# Altium PCB IoT_Greenhouse V1.0 A.PcbDoc (part 2 of 2)
Units mm, origin at the board's own origin, x right, y up, seen from the top; angles counter-clockwise.
Board outline 130 x 80 mm, 2 copper layers (Top Layer, Bottom Layer), stack 1.569 mm thick; 105 components, 59 nets, 365 pads, 253 vias.
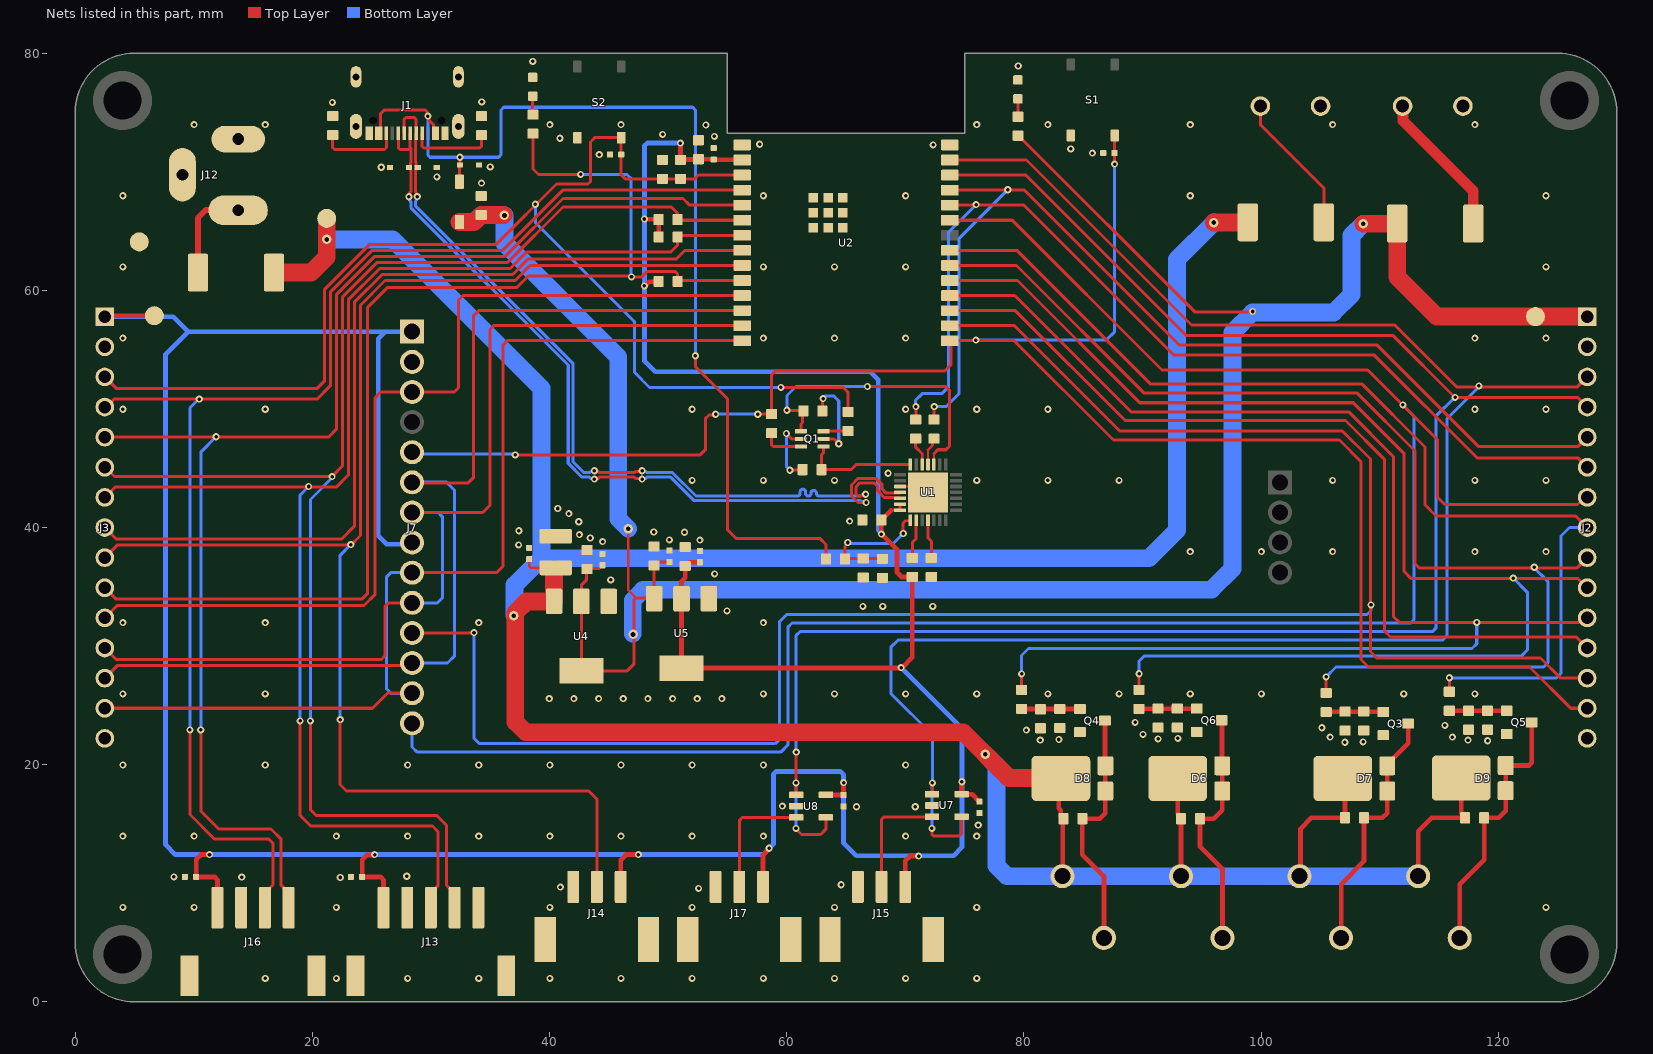
[diagram p2: the nets of this part, all layers, seen from the top]

## Via types
v1: diameter 0.6, hole 0.3, Top Layer to Bottom Layer, tented both sides, 245 vias
v2: diameter 0.8, hole 0.4, Top Layer to Bottom Layer, tented both sides, 8 vias

## Nets (pads, with @x,y where several pads share a name; then routed paths per layer and width w, separated by ;. In a path a pad name is that pad's centre, name@x,y a point inside that pad or via, vN(x,y) a via of type N, cw(c..) or ccw(c..) an arc to the next point about the centre after c; other vN are vias at no path point)
3V3: C2.2 C5.2 C6.2 C23.2 C24.2 C26.2 C27.2 C28.2 C29.2 J3.1 J7.1 J7.8 J13.1 J14.1 J15.1 J16.1 J17.1 R7.2 R10.2 R13.1 R14.1 R24.2 TP3.1 U1.6 U1.7 U2.2 U5.2 U5.4 U7.5 U8.5 | length 334.1
  Top Layer w0.2: U1.7@69.52,41.478 69.536,41.478 U1.7@69.567,41.509
  Top Layer w0.254: 68.802,41.459 U1.7@69.567,41.459 U1.7@69.545,41.481 ; U1.7@69.567,41.509 U1.6@69.567,41.959
  Top Layer w0.4: J3.1@2.5,57.78 2.581,57.861 TP3.1@6.68,57.861 ; v1(11.328,12.421) 10.615,12.421 10.208,12.014 C29.2@10.208,10.541 11.766,10.541 12,10.307 J16.1@12,7.95 ; v1(25.248,12.421) 25.209,12.382 24.597,12.382 24.204,11.989 C27.2@24.204,10.541 25.766,10.541 26,10.307 J13.1@26,7.95 ; J14.1@46,9.7 46,11.964 46.457,12.421 v1(47.498,12.421) ; v1(48.006,60.376) 48.06,60.376 48.409,60.725 49.175,60.725 R14.1@49.2,60.75 ; v1(48.006,66.015) 48.031,65.989 49.175,65.989 R24.2@49.2,65.964 R7.2@49.2,64.5 ; v1(51.029,72.415) 51.041,72.403 51.041,71.018 R13.1@51.054,71.006 51.079,71.031 52.527,71.031 C5.2@52.553,71.057 52.558,71.051 53.843,71.051 C6.2@53.848,71.046 53.876,71.018 56.222,71.018 U2.2@56.25,70.99 ; U5.4@51.079,28.499 51.13,28.55 U5.2@51.13,34 51.13,35.458 51.435,35.763 C24.2@51.435,36.754 ; U5.4@51.13,28.15 69.704,28.15 70.596,29.042 R10.2@70.596,35.835 69.677,35.835 69.47,36.042 69.291,36.22 69.291,38.176 67.983,39.484 C2.2@67.983,40.64 67.983,40.69 68.208,40.915 68.258,40.915 68.802,41.459 ; C24.2@51.613,36.728 51.613,36.879 51.805,37.072 C23.2@52.705,37.072 ; J17.1@58,9.7 58,12.378 58.522,12.9 v1(58.522,12.954) ; U8.5@63.302,17.46 63.309,17.454 64.789,17.454 C28.2@64.795,17.447 v1(64.795,18.491) ; J15.1@70,9.7 70,11.887 70.406,12.294 v1(71.12,12.294) ; v1(74.778,18.567) 74.768,18.557 74.768,17.521 U7.5@74.758,17.511 74.76,17.508 75.631,17.508 C26.2@76.251,16.888
  Bottom Layer w0.4: J3.1@2.5,57.78 8.26,57.78 9.53,56.51 ; J7.8@28.41,38.73 28.263,38.583 26.264,38.583 25.552,39.294 25.552,55.905 26.157,56.51 ; J7.1@28.41,56.51 26.157,56.51 ; v1(51.029,72.415) 48.24,72.415 48.006,72.181 v1(48.006,66.015) v1(48.006,60.376) 48.006,54.051 48.92,53.137 67.056,53.137 67.716,52.476 67.716,39.767 67.983,39.5 v1(67.983,39.446) ; v1(69.647,28.194) 74.778,23.063 v1(74.778,18.567) 74.778,13.03 74.066,12.319 65.862,12.319 64.795,13.386 64.795,19.152 64.516,19.431 59.112,19.431 58.877,19.197 58.877,13.288 58.534,12.945 58.534,12.941 58.014,12.421 v1(47.498,12.421) v1(25.248,12.421) v1(11.328,12.421) 8.458,12.421 7.62,13.259 7.62,54.6 9.53,56.51 ; 9.53,56.51 26.157,56.51
5V: C1.2 C19.2 C20.2 C21.2 C22.2 D1.1 D12.1 J2.1 R23.1 TP2.1 U4.2 U4.4 U5.3 | length 209.8
  Top Layer w0.2: v2(46.634,39.903) 46.634,34.722 47.295,34.061 ; J2.1@127.495,57.785 J2.1@127.5,57.78
  Top Layer w0.254: U4.4@42.621,28.092 42.683,28.154 U4.2@42.683,33.771 42.683,35.139 43.104,35.56 C19.2@43.104,36.576 ; U4.4@42.683,27.921 46.552,27.921 47.142,28.512 47.142,33.909 47.295,34.061 U5.3@48.717,34.061 ; C19.2@43.231,36.525 44.168,36.525 C20.2@44.461,36.818 ; U5.3@48.83,34 48.819,34.011 C21.2@48.819,36.802 48.819,36.805 C21.2@48.844,36.83 ; C21.2@48.844,36.652 48.844,36.774 49.167,37.097 C22.2@50.114,37.097 ; R23.1@79.502,73.038 79.552,73.038 94.398,58.191 v1@99.238,58.191
  Top Layer w1.5: D1.1@32.41,65.762 33.644,65.762 C1.2@34.239,66.358 36.106,66.358 v2@36.119,66.345 ; v2(108.61,65.608) D12.1@111.451,65.608 ; D12.1@111.476,65.634 111.476,61.117 114.808,57.785 TP2.1@123.139,57.785 J2.1@127.495,57.785
  Bottom Layer w1.5: v2(36.195,66.319) 36.195,63.983 45.796,54.381 45.796,40.742 v2(46.634,39.903) ; v2@47.015,31.039 47.015,33.869 47.894,34.747 95.809,34.747 97.587,36.525 97.587,56.439 99.289,58.141 106.121,58.141 107.62,59.639 107.62,64.618 v2(108.61,65.608)
  other v1: 99.289,58.217
  other v2: 47.041,30.988
12V: C9.2 C10.2 C11.2 C15.2 C17.2 C18.2 D6.K D7.K D8.K D9.K D10.1 D11.1 J4.1 J5.1 J6.1 J8.1 TP1.1 U4.3 | length 287.9
  Top Layer w0.2: C18.2@38.289,37.326 38.289,36.719 38.406,36.601 C17.2@40.411,36.601
  Top Layer w0.4: D8.K@82.931,18.872 82.931,16.345 83.1,16.176 83.1,15.668 C11.2@83.325,15.443 83.287,15.406 83.287,10.637 J6.1@83.25,10.6 ; D6.K@92.973,18.845 92.973,15.776 93.256,15.493 C9.2@93.256,15.443 93.253,15.44 93.253,10.603 J4.1@93.25,10.6 ; J5.1@103.25,10.6 103.327,10.677 103.327,14.605 104.242,15.519 C10.2@107.074,15.519 107.074,18.664 D7.K@106.892,18.845 ; J8.1@113.25,10.6 113.25,14.393 114.376,15.519 C15.2@117.208,15.519 117.208,15.569 116.875,15.903 D9.K@116.875,18.87
  Top Layer w1.5: D11.1@16.769,61.493 19.888,61.493 21.209,62.814 v2(21.209,64.287) TP1.1@21.209,66.065 ; C17.2@40.404,36.483 40.383,36.483 U4.3@40.383,33.771 38.064,33.771 37.109,32.817 37.109,23.612 37.988,22.733 74.879,22.733 78.74,18.872 D8.K@82.931,18.872 ; v2(96.012,65.71) 98.852,65.71 D10.1@98.878,65.735
  Bottom Layer w1.5: v2(21.209,64.287) 26.772,64.287 39.319,51.74 39.319,37.414 ; v2@37.059,32.652 37.059,35.154 39.319,37.414 ; v2(76.733,20.879) 77.69,19.922 77.69,11.479 78.569,10.6 J6.1@83.25,10.6 92.769,10.6 J4.1@92.888,10.719 ; J4.1@93.25,10.6 103.014,10.6 J5.1@103.175,10.439 ; v2(96.012,65.71) 92.913,62.611 92.913,39.776 90.551,37.414 39.319,37.414 ; J5.1@103.25,10.6 113.14,10.6 J8.1@113.233,10.693
  other v2: 36.982,32.563
AIN_1: J15.2 U7.3 | length 10
  Top Layer w0.254: J15.2@68,9.7 68,15.397 68.214,15.611 U7.3@72.258,15.611
AIN_2: J17.2 U8.3 | length 10.5
  Top Layer w0.254: J17.2@56,9.7 56,15.284 56.276,15.56 U8.3@60.802,15.56
CHIP_PU: C4.2 C8.1 J3.3 R13.2 R25.1 S2.3 U2.3 | length 110.7
  Top Layer w0.254: J3.3@2.5,52.7 3.46,51.74 20.422,51.74 21.006,52.324 21.006,60.046 24.841,63.881 35.509,63.881 40.586,68.958 43.253,68.958 43.459,69.164 43.459,72.517 43.812,72.87 S2.3@46.046,72.87 ; S2.3@46.047,72.869 46.047,71.451 46.048,69.75 46.392,69.406 C4.2@49.53,69.406 R13.2@51.054,69.406 52.25,69.406 52.564,69.72 U2.3@56.25,69.72 ; v1(59.512,51.816) 64.77,51.816 65.176,51.41 R25.1@65.176,49.746
  Bottom Layer w0.254: v1@38.837,67.2 38.837,65.684 47.168,57.353 47.168,53.086 48.438,51.816 v1(59.512,51.816)
  other v1: 38.811,67.259
DM_N: D2.2 J1.A7 J1.B7 U1.5 | length 70.2
  Top Layer w0.254: J1.A7@27.75,73.25 27.75,74.426 27.899,74.574 28.601,74.574 28.75,74.426 J1.B7@28.75,73.67 ; J1.B7@28.727,73.227 28.727,72.687 28.715,72.674 28.715,70.788 28.755,70.748 28.755,70.441 D2.2@28.838,70.358 ; v1(28.847,67.896) 28.781,67.962 28.781,68.219 28.684,68.316 28.684,70.096 28.755,70.166 28.755,70.275 D2.2@28.838,70.358 ; D2.2@28.893,70.358 D2.2@28.838,70.358 ; v1(43.79,44.787) 43.856,44.721 44.119,44.721 44.212,44.628 47.142,44.628 47.236,44.721 47.737,44.721 v1(47.803,44.787) ; v1(66.65,42.809) 66.583,42.743 66.339,42.743 66.234,42.638 66.023,42.638 65.837,42.824 65.837,43.434 66.167,43.764 67.361,43.764 67.666,43.459 67.666,43.098 68.244,42.519 69.054,42.519 69.091,42.482 U1.5@69.544,42.482
  Bottom Layer w0.254: v1(28.847,67.896) 28.781,67.83 28.781,67.569 28.687,67.475 28.687,67.127 41.961,53.853 41.961,45.573 42.906,44.628 43.367,44.628 43.46,44.721 43.723,44.721 v1(43.79,44.787) ; v1(47.803,44.787) 47.869,44.721 48.132,44.721 48.225,44.628 50.374,44.628 52.352,42.649 60.757,42.649 60.884,42.649 ccw(c60.884,42.903) 61.138,42.903 61.138,43.006 cw(c61.365,43.006) 61.592,43.006 61.592,42.876 ccw(c61.819,42.876) 62.046,42.876 62.046,42.903 cw(c62.273,42.903) 62.5,42.903 ccw(c62.754,42.903) 62.754,42.649 63.983,42.649 66.227,42.649 66.32,42.743 66.583,42.743 v1(66.65,42.809)
DM_P: D3.2 J1.A6 J1.B6 U1.4 | length 70.2
  Top Layer w0.254: J1.B6@27.25,73.25 27.25,72.031 27.399,71.882 28.101,71.882 28.25,72.031 ; v1(28.143,67.894) 28.209,67.96 28.209,68.221 28.303,68.315 28.303,70.126 28.294,70.136 28.294,70.275 D3.2@28.211,70.358 ; D3.2@28.156,70.358 D3.2@28.211,70.358 ; J1.A6@28.25,73.25 28.25,72.031 ; v1(43.79,44.087) 43.856,44.154 44.119,44.154 44.212,44.247 47.142,44.247 47.236,44.154 47.737,44.154 v1(47.803,44.087) ; v1(66.69,42.109) 66.686,42.113 66.009,42.113 65.456,42.667 65.456,43.592 66.009,44.145 67.519,44.145 68.047,43.617 68.047,43.256 68.402,42.9 69.53,42.9 69.567,42.936 U1.4@69.567,42.959 ; D3.2@28.211,70.358 28.294,70.441 28.294,70.748 28.334,70.788 28.334,71.947 28.25,72.031
  Bottom Layer w0.254: v1(28.143,67.894) 28.209,67.828 28.209,67.571 28.306,67.474 28.306,66.969 41.58,53.696 41.58,45.415 42.748,44.247 43.367,44.247 43.46,44.154 43.723,44.154 v1(43.79,44.087) ; v1(47.803,44.087) 47.869,44.154 48.132,44.154 48.225,44.247 50.216,44.247 52.194,42.268 66.227,42.268 66.32,42.175 66.38,42.175 66.624,42.175 v1(66.69,42.109)
DTR: Q1.1 R3.2 U1.28 | length 9.7
  Top Layer w0.254: Q1.1@63.109,46.823 63.109,46.294 62.941,46.126 R3.2@62.941,44.882 65.43,44.882 65.858,45.309 U1.28@70.417,45.309
G_FAN: C12.2 Q6.1 R15.2 R18.2 | length 4.9
  Top Layer w0.4: R15.2@89.713,24.714 89.719,24.72 91.307,24.72 R18.2@91.313,24.727 C12.2@92.939,24.727 C12.2@92.939,24.727 94.58,24.728 Q6.1@94.581,24.729
G_HET: C13.2 Q3.1 R16.2 R19.2 | length 4.8
  Top Layer w0.4: R16.2@105.486,24.448 105.499,24.46 107.074,24.46 R19.2@107.086,24.473 C13.2@108.661,24.473 108.673,24.461 110.292,24.461 Q3.1@110.304,24.45
G_LAMP: C16.2 Q5.1 R21.2 R22.2 | length 4.8
  Top Layer w0.4: R21.2@115.875,24.549 R22.2@117.5,24.549 ; R22.2@117.5,24.549 C16.2@119.101,24.549 C16.2@119.101,24.549 120.716,24.55 Q5.1@120.718,24.551
G_PUMP: C14.2 Q4.1 R17.2 R20.2 | length 4.9
  Top Layer w0.4: R17.2@79.807,24.702 79.82,24.689 81.394,24.689 R20.2@81.407,24.676 81.42,24.689 83.02,24.689 C14.2@83.033,24.701 C14.2@83.033,24.701 84.725,24.703 Q4.1@84.726,24.704
GND: C1.1 C2.1 C3.1 C4.1 C5.1 C6.1 C7.2 C8.2 C12.1 C13.1 C14.1 C16.1 C17.1 C18.1 C19.1 C20.1 C21.1 C22.1 C23.1 C24.1 C26.1 C27.1 C28.1 C29.1 D2.1 D3.1 D4.1 D5.1 D13.1 J1.A1_B12 J1.B1_A12 J1.SH1 J1.SH2 J1.SH3 J1.SH4 J2.2 J2.15 J3.2 J3.15 J7.2 J10.2 J11.2 J12.2 J12.3 J13.0 J13.2 J13.5 J14.3 J14.SH J15.3 J15.SH J16.0 J16.2 J17.3 J17.SH Q3.2 Q4.2 Q5.2 Q6.2 R5.1 R6.1 R8.2 R11.1 R18.1 R19.1 R20.1 R22.1 S1.1 S2.1 TP4.1 U1.3 U1.29 U2.1 U2.28 U2.29 U2.30 U2.31 U2.32 U2.33 U2.34 U2.35 U2.36 U2.37 U4.1 U5.1 U7.2 U8.2 | length 1.3
  Top Layer w0.2: U1.3@69.567,43.459 70.79,43.459 U1.29@70.841,43.51
  other v1: 16.028,1.975 22.028,1.975 28.028,1.975 34.028,1.975 40.028,1.975 46.028,1.975 52.028,1.975 58.028,1.975 64.028,1.975 70.028,1.975 76.028,1.975 4.028,7.975 10.028,7.975 22.028,7.975 40.028,7.975 52.028,7.975 64.028,7.975 76.028,7.975 124.028,7.975 52.578,9.576 40.919,9.677 64.592,9.881 22.352,10.49 14.046,10.516 8.331,10.541 27.965,10.592 4.028,13.975 10.028,13.975 22.028,13.975 28.028,13.975 34.028,13.975 40.028,13.975 46.028,13.975 52.028,13.975 58.028,13.975 70.028,13.975 76.028,13.975 76.149,14.91 65.888,16.459 70.841,16.459 59.639,16.51 4.028,19.975 16.028,19.975 28.028,19.975 34.028,19.975 40.028,19.975 46.028,19.975 52.028,19.975 58.028,19.975 70.028,19.975 107.061,21.895 108.61,21.92 119.101,22.022 81.382,22.073 117.45,22.073 82.956,22.123 91.313,22.174 92.989,22.225 105.816,22.327 116.129,22.327 90.043,22.555 80.213,22.911 105.131,23.114 115.494,23.317 89.383,23.571 39.98,25.578 42.059,25.578 44.138,25.578 46.217,25.578 48.296,25.578 50.375,25.578 52.455,25.578 54.534,25.578 4.028,25.975 16.028,25.975 58.028,25.975 64.028,25.975 70.028,25.975 76.028,25.975 82.028,25.975 88.028,25.975 94.028,25.975 100.028,25.975 112.028,25.975 118.028,25.975 4.028,31.975 16.028,31.975 34.028,31.975 58.028,31.975 54.966,32.969 66.421,33.345 68.097,33.345 72.314,33.345 45.161,35.585 53.924,36.093 94.028,37.975 100.028,37.975 106.028,37.975 118.028,37.975 124.028,37.975 37.389,38.532 44.475,38.811 52.68,38.938 50.114,38.964 43.434,39.116 42.52,39.395 51.384,39.599 48.793,39.624 37.414,39.726 42.469,40.488 65.303,40.538 41.631,41.173 40.691,41.605 52.028,43.975 58.028,43.975 64.028,43.975 76.028,43.975 82.028,43.975 88.028,43.975 106.028,43.975 118.028,43.975 124.028,43.975 68.555,44.577 4.028,49.975 16.028,49.975 52.028,49.975 70.028,49.975 76.028,49.975 82.028,49.975 118.028,49.975 124.028,49.975 4.028,55.975 58.028,55.975 64.028,55.975 70.028,55.975 118.028,55.975 124.028,55.975 4.028,61.975 58.028,61.975 64.028,61.975 70.028,61.975 124.028,61.975 4.028,67.975 58.028,67.975 70.028,67.975 94.028,67.975 124.028,67.975 34.265,69.037 30.505,69.571 25.806,70.383 35.001,70.409 44.196,71.45 85.776,71.577 83.947,71.933 72.339,72.263 57.709,72.314 40.869,72.822 53.899,72.974 49.53,73.152 53.188,73.939 10.028,73.975 16.028,73.975 40.028,73.975 46.028,73.975 76.028,73.975 82.028,73.975 94.028,73.975 106.028,73.975 118.028,73.975 21.692,75.844 34.29,75.895 79.527,78.918 38.583,79.299
GPIO0: J3.8 U2.8 | length 75.3
  Top Layer w0.254: J3.8@2.5,40 3.46,39.04 22.479,39.04 23.546,40.107 23.546,58.993 25.893,61.341 36.892,61.341 38.173,62.622 50.672,62.622 51.42,63.37 U2.8@56.25,63.37
GPIO1: J3.9 J14.2 U2.9 | length 125.6
  Top Layer w0.254: J3.9@2.5,37.46 3.546,38.506 23.241,38.506 24.054,39.319 24.054,58.75 26.137,60.833 37.102,60.833 38.383,62.114 52.035,62.114 52.049,62.1 U2.9@56.25,62.1 ; v1(22.352,23.8) 22.327,23.774 22.327,18.339 22.885,17.78 43.307,17.78 44,17.087 J14.2@44,9.7
  Bottom Layer w0.254: v1(22.352,23.8) 22.352,37.668 v1@23.266,38.583
  other v1: 23.241,38.557
GPIO2: J2.3 U2.27 U7.1 U7.4 | length 153.7
  Top Layer w0.254: v1(72.238,14.63) 72.238,14.144 72.386,13.995 74.549,13.995 74.758,14.204 U7.4@74.758,15.611 ; U7.1@72.258,17.511 72.288,17.542 v1(72.288,18.466) ; U2.27@73.75,70.99 80.216,70.99 94.132,57.074 111.277,57.074 116.484,51.867 126.667,51.867 J2.3@127.5,52.7
  Bottom Layer w0.254: v1(72.238,14.63) 72.263,14.656 72.263,18.44 v1(72.288,18.466) 72.288,22.504 68.783,26.01 68.783,29.896 69.393,30.505 115.291,30.505 115.697,30.912 115.697,49.2 v1@118.415,51.918
  other v1: 118.364,51.943
GPIO3: J2.4 U2.26 U8.1 U8.4 | length 157.5
  Top Layer w0.254: v1@60.757,14.605 61.239,14.122 62.865,14.122 63.302,14.56 U8.4@63.302,15.56 ; v1@60.757,21.158 60.782,21.133 v1(60.782,18.466) 60.782,17.48 U8.1@60.802,17.46 ; U2.26@73.75,69.72 80.165,69.72 93.675,56.21 111.1,56.21 116.353,50.957 126.703,50.957 J2.4@127.5,50.16
  Bottom Layer w0.254: v1(60.782,14.63) v1(60.782,18.466) v1@60.782,18.542 ; v1(60.802,21.057) 60.802,30.906 61.112,31.217 114.452,31.217 114.732,31.496 114.732,49.378 v1@116.307,50.952
  other v1: 116.357,50.978
GPIO4: J3.4 J16.3 U2.4 | length 115.1
  Top Layer w0.254: J3.4@2.5,50.16 2.611,50.16 3.277,50.825 20.396,50.825 21.514,51.943 21.514,59.835 25.052,63.373 36.05,63.373 41.127,68.45 U2.4@56.25,68.45 ; v1(9.677,22.936) 9.677,15.799 11.735,13.741 16.332,13.741 16.688,13.386 16.688,9.888 16,9.2 J16.3@16,7.95
  Bottom Layer w0.254: v1(9.677,22.936) 9.677,50.089 v1@10.465,50.876
  other v1: 10.465,50.825
GPIO5: J3.5 J16.4 U2.5 | length 114.9
  Top Layer w0.254: J3.5@2.5,47.62 21.356,47.62 22.022,48.285 22.022,59.625 25.262,62.865 36.261,62.865 41.137,67.742 51.258,67.742 51.82,67.18 U2.5@56.25,67.18 ; v1(10.592,22.936) 10.592,16.104 12.116,14.58 16.51,14.58 17.374,13.716 17.374,9.826 18,9.2 J16.4@18,7.95
  Bottom Layer w0.254: v1(10.592,22.936) 10.592,46.355 11.862,47.625 v1@11.862,47.676
  other v1: 11.887,47.65
GPIO6: J3.6 J13.4 R24.1 U2.6 | length 120.5
  Top Layer w0.254: J3.6@2.5,45.08 2.53,45.08 3.312,44.298 v1(21.666,44.298) ; v1(19.837,23.698) 19.863,23.673 19.863,16.18 20.345,15.697 30.505,15.697 31.318,14.884 31.318,9.83 31.575,9.573 31.627,9.573 32,9.2 J13.4@32,7.95 ; v1@21.717,44.374 22.53,45.187 22.53,59.414 25.472,62.357 36.471,62.357 41.145,67.031 50.269,67.031 50.8,66.5 R24.1@50.8,65.964 50.854,65.91 U2.6@56.25,65.91
  Bottom Layer w0.254: v1(19.837,23.698) 19.837,42.367 v1@21.641,44.171
GPIO7: J3.7 J13.3 R7.1 U2.7 | length 118.8
  Top Layer w0.254: J3.7@2.5,42.54 3.394,43.434 22.047,43.434 23.038,44.425 23.038,59.204 25.683,61.849 36.681,61.849 38.082,63.25 50.25,63.25 50.793,63.793 50.793,64.493 50.94,64.64 U2.7@56.25,64.64 ; v1(18.974,23.698) 18.974,15.723 19.863,14.834 30.124,14.834 30.582,14.376 30.582,9.782 30,9.2 J13.3@30,7.95
  Bottom Layer w0.254: v1(18.974,23.698) 18.974,42.748 v1(19.685,43.459)
GPIO8: J3.10 R12.1 R14.2 U2.10 | length 100.4
  Top Layer w0.254: J3.10@2.5,34.92 3.46,33.96 24.174,33.96 24.663,34.45 24.663,58.572 26.314,60.223 37.211,60.223 38.176,61.189 v1@46.875,61.189 ; R12.1@38.608,73.216 38.608,70.231 39.065,69.774 v1(42.621,69.774) ; v1(46.914,61.138) 47.781,61.138 48.249,61.606 50.589,61.606 50.8,61.395 R14.2@50.8,60.75 50.88,60.83 U2.10@56.25,60.83
  Bottom Layer w0.254: v1(42.621,69.774) 46.533,69.774 46.888,69.418 v1@46.888,61.138
GPIO9: C7.1 J2.14 J7.5 R26.1 S1.3 U2.15 | length 159.3
  Top Layer w0.254: v1(37.109,46.126) 52.705,46.126 53.137,46.558 53.137,49.174 53.452,49.489 53.934,49.489 v1(54,49.555) ; v1(57.556,49.555) 57.563,49.562 58.718,49.562 R26.1@58.725,49.568 58.725,52.857 59.08,53.213 73.355,53.213 73.838,53.696 73.838,55.662 U2.15@73.75,55.75 79.175,55.75 87.554,47.371 106.604,47.371 108.433,45.542 108.433,28.873 109.06,28.245 122.631,28.245 126.116,24.76 J2.14@127.5,24.76 ; v1(87.655,70.637) 87.654,70.639 87.654,71.576 C7.1@87.653,71.577 C7.1@87.653,71.577 87.654,73.049 S1.3@87.655,73.05
  Bottom Layer w0.254: J7.5@28.41,46.35 28.567,46.193 37.043,46.193 v1(37.109,46.126) ; v1(54,49.555) v1(57.556,49.555) v1@57.653,49.555 ; v1(75.946,55.804) 86.944,55.804 87.655,56.515 v1(87.655,70.637) v1@87.655,70.737
GPIO10: J3.11 J7.3 U2.11 | length 79.1
  Top Layer w0.254: J3.11@2.5,32.38 3.546,33.426 24.359,33.426 25.298,34.366 25.298,50.952 25.776,51.43 J7.3@28.41,51.43 31.974,51.43 32.334,51.791 32.334,59.182 32.712,59.56 U2.11@56.25,59.56
GPIO11: J3.13 J7.6 J7.12 U2.12 | length 89.8
  Top Layer w0.254: J3.13@2.5,27.3 3.546,28.346 28.186,28.346 J7.12@28.41,28.57 ; J7.6@28.41,43.81 28.456,43.764 33.147,43.764 33.579,44.196 33.579,57.836 34.033,58.29 U2.12@56.25,58.29
  Bottom Layer w0.254: J7.12@28.41,28.57 31.389,28.57 32.004,29.185 32.004,43.129 31.293,43.84 J7.6@28.55,43.84
GPIO12: J3.12 J7.7 J7.10 U2.13 | length 86
  Top Layer w0.254: J3.12@2.5,29.84 3.46,28.88 25.832,28.88 26.111,29.159 26.111,33.325 26.436,33.65 J7.10@28.41,33.65 ; J7.7@28.41,41.27 34.361,41.27 34.976,41.885 34.976,56.693 35.303,57.02 U2.13@56.25,57.02
  Bottom Layer w0.254: J7.10@28.41,33.65 30.551,33.65 30.963,34.061 30.963,40.919 30.607,41.275 J7.7@28.473,41.275
GPIO13: J3.14 J7.9 J7.13 U2.14 | length 87.4
  Top Layer w0.254: J3.14@2.5,24.76 25.065,24.76 26.335,26.03 J7.13@28.41,26.03 ; J7.9@28.41,36.19 35.53,36.19 36.093,36.754 36.093,55.397 36.446,55.75 U2.14@56.25,55.75
  Bottom Layer w0.254: J7.9@28.41,36.19 26.614,36.19 26.264,35.839 26.264,26.391 26.67,25.984 J7.13@28.499,25.984
GPIO15: J2.7 J7.14 U2.23 | length 182.3
  Top Layer w0.254: U2.23@73.75,65.91 79.022,65.91 91.643,53.289 108.991,53.289 114.859,47.422 114.859,42.57 115.494,41.935 126.691,41.935 127.295,42.54 J2.7@127.5,42.54
  Bottom Layer w0.254: J7.14@28.41,23.49 28.41,21.501 28.854,21.057 59.487,21.057 60.096,21.666 60.096,31.598 60.452,31.953 112.624,31.953 112.903,32.233 112.903,49.378 v1@111.989,50.292
  other v1: 111.963,50.343
GPIO18: J2.13 J7.11 U2.16 | length 176.4
  Top Layer w0.254: J7.11@28.41,31.11 33.558,31.11 v1@33.579,31.09 ; U2.16@73.75,57.02 79.2,57.02 88.062,48.158 106.832,48.158 109.22,45.771 109.22,29.54 109.753,29.007 123.571,29.007 125.278,27.3 J2.13@127.5,27.3
  Bottom Layer w0.254: v1(33.63,31.14) 33.63,22.225 34.087,21.768 59.03,21.768 59.411,22.149 59.411,32.08 59.995,32.664 108.941,32.664 109.271,32.995 v1(109.271,33.477)
GPIO19: J2.12 U2.17 | length 74
  Top Layer w0.254: U2.17@73.75,58.29 79.276,58.29 88.544,49.022 107.112,49.022 110.388,45.745 110.388,31.293 110.922,30.759 126.581,30.759 J2.12@127.5,29.84
GPIO20: J2.11 R17.1 U2.18 | length 116.8
  Top Layer w0.254: U2.18@73.75,59.56 79.226,59.56 89.027,49.759 107.391,49.759 111.176,45.974 111.176,32.487 111.658,32.004 126.767,32.004 127.143,32.38 J2.11@127.5,32.38 ; v1@79.781,27.711 79.807,27.686 v1(79.807,27.661) R17.1@79.807,26.302
  Bottom Layer w0.254: v1(79.807,27.661) 79.807,29.21 80.391,29.794 117.78,29.794 118.186,30.201 v1(118.186,32.004)
GPIO21: J2.10 R15.1 U2.19 | length 112.5
  Top Layer w0.254: U2.19@73.75,60.83 79.454,60.83 89.764,50.521 107.772,50.521 112.065,46.228 112.065,36.297 112.674,35.687 126.733,35.687 J2.10@127.5,34.92 ; R15.1@89.713,26.314 v1(89.713,27.673) v1@89.713,27.699
  Bottom Layer w0.254: v1(89.713,27.673) 89.713,28.727 90.17,29.185 121.971,29.185 122.453,29.667 122.453,34.544 v1@121.234,35.763
  other v1: 121.26,35.738
GPIO22: J2.9 R16.1 U2.20 | length 99.4
  Top Layer w0.254: U2.20@73.75,62.1 79.378,62.1 90.145,51.333 108.102,51.333 112.979,46.457 112.979,36.957 113.36,36.576 126.616,36.576 J2.9@127.5,37.46 ; R16.1@105.486,26.048 v1(105.486,27.407) v1@105.486,27.432
  Bottom Layer w0.254: v1(105.486,27.407) 106.324,28.245 123.825,28.245 124.181,28.6 124.181,35.458 v1@122.961,36.678
  other v1: 123.038,36.652
GPIO23: J2.8 R21.1 U2.21 | length 91.1
  Top Layer w0.254: U2.21@73.75,63.37 79.403,63.37 90.653,52.121 108.483,52.121 113.817,46.787 113.817,41.91 114.757,40.97 126.53,40.97 J2.8@127.5,40 ; R21.1@115.875,26.149 v1(115.875,27.33)
  Bottom Layer w0.254: v1(115.875,27.33) 124.917,27.33 125.298,27.711 125.298,39.294 126.004,40 J2.8@127.5,40
NetC3_2: C3.2 R9.2 R11.2 U1.8 | length 11.3
  Top Layer w0.2: 69.973,40.535 70.002,40.564 U1.8@70.409,40.564
  Top Layer w0.254: v1(65.151,38.735) 65.151,38.641 64.919,38.409 R9.2@64.919,37.346 64.957,37.384 R11.2@66.456,37.384 66.468,37.371 68.069,37.371 C3.2@68.081,37.359 ; v1(69.825,39.497) 69.825,40.386 69.973,40.535
  Bottom Layer w0.254: v1(65.151,38.735) 65.217,38.669 65.462,38.669 65.472,38.659 68.986,38.659 v1(69.825,39.497) v1@69.85,39.522
NetC9_1: C9.1 D6.A J4.2 Q6.3 | length 20.6
  Top Layer w0.4: Q6.3@96.681,23.749 96.702,23.728 96.702,19.931 D6.A@96.723,19.91 D6.A@96.723,17.78 96.723,16.154 96.012,15.443 C9.1@94.856,15.443 94.856,13.094 96.75,11.2 J4.2@96.75,5.4
NetC10_1: C10.1 D7.A J5.2 Q3.3 | length 21.3
  Top Layer w0.4: J5.2@106.75,5.4 106.75,9.925 108.674,11.849 C10.1@108.674,15.519 110.236,15.519 110.642,15.926 D7.A@110.642,17.78 D7.A@110.642,19.91 110.642,20.04 112.404,21.801 Q3.3@112.404,23.47
NetC11_1: C11.1 D8.A J6.2 Q4.3 | length 20.8
  Top Layer w0.4: J6.2@86.75,5.4 86.75,10.583 84.925,12.408 C11.1@84.925,15.443 86.411,15.443 86.868,15.9 D8.A@86.868,17.78 D8.A@86.868,19.91 86.847,19.931 86.847,23.703 Q4.3@86.826,23.724
NetC15_1: C15.1 D9.A J8.2 Q5.3 | length 22.6
  Top Layer w0.4: J8.2@116.75,5.4 116.75,9.918 118.808,11.976 C15.1@118.808,15.519 120.04,15.519 120.625,16.104 D9.A@120.625,17.805 D9.A@120.625,19.935 122.583,19.935 122.818,20.17 Q5.3@122.818,23.571
NetD5_2: D5.2 R12.2 | length 1.5
  Top Layer w0.254: D5.2@38.583,76.352 38.583,74.841 R12.2@38.608,74.816
NetD10_2: D10.2 J10.1 | length 12
  Top Layer w0.254: J10.1@99.937,75.534 99.937,73.977 105.288,68.626 D10.2@105.288,65.735
NetD11_2: D11.2 J12.1 | length 8.3
  Top Layer w0.5: D11.2@10.359,61.493 10.359,66.112 11.024,66.777 13.723,66.777 J12.1@13.75,66.75
NetD12_2: D12.2 J11.1 | length 12.4
  Top Layer w0.9: J11.1@111.937,75.534 111.969,75.503 111.969,74.29 117.886,68.372 D12.2@117.886,65.634
NetD13_2: D13.2 R23.2 | length 1.5
  Top Layer w0.254: R23.2@79.502,74.638 D13.2@79.502,76.137
NetJ1_A5: J1.A5 R6.2 | length 7.2
  Top Layer w0.254: J1.A5@29.25,73.25 29.25,72.143 29.399,71.994 34.116,71.994 34.265,72.143 R6.2@34.265,73.089
NetJ1_B5: J1.B5 R5.2 | length 6.9
  Top Layer w0.254: R5.2@21.717,73.089 21.692,73.063 21.692,72.06 21.869,71.882 26.086,71.882 26.25,72.046 J1.B5@26.25,73.25
NetQ1_2: Q1.2 R4.1 | length 7.7
  Top Layer w0.254: R4.1@63.005,49.835 63.036,49.867 63.036,50.844 v1(63.068,50.876) ; Q1.2@63.109,47.473 64,47.473 64.389,47.083 v1(64.389,47.066)
  Bottom Layer w0.254: v1@63.094,50.927 63.246,51.079 63.983,51.079 64.389,50.673 v1(64.389,47.066)
NetQ1_3: Q1.3 R25.2 | length 2.1
  Top Layer w0.254: Q1.3@63.109,48.123 63.12,48.134 65.165,48.134 R25.2@65.176,48.146
NetQ1_5: Q1.5 R3.1 | length 5.6
  Top Layer w0.254: v1@60.071,47.828 60.427,47.473 Q1.5@61.199,47.473 ; v1(60.274,44.831) 61.29,44.831 R3.1@61.341,44.882
  Bottom Layer w0.254: v1(59.969,47.93) 59.969,45.161 v1@60.325,44.806
NetQ1_6: Q1.6 R26.2 | length 3.5
  Top Layer w0.254: R26.2@58.725,47.968 58.725,46.971 58.874,46.823 Q1.6@61.199,46.823
NetR1_2: R1.2 U1.26 | length 2.8
  Top Layer w0.2: U1.26@71.417,45.347 71.417,46.236
  Top Layer w0.254: R1.2@71.173,47.195 R1.2@70.875,47.493 70.875,46.777 71.417,46.236
NetR2_2: R2.2 U1.25 | length 2.5
  Top Layer w0.2: U1.25@71.917,45.309 71.917,46.542
  Top Layer w0.254: U1.25@71.917,45.247 U1.25@71.917,45.309 ; 71.917,46.542 72.288,46.914 72.288,47.357 R2.2@72.425,47.493
NetR8_1: R8.1 U1.11 | length 3.3
  Top Layer w0.254: U1.11@71.917,40.609 71.917,39.132 72.212,38.837 72.212,37.451 R8.1@72.196,37.435
NetR10_1: R10.1 U1.9 | length 2.8
  Top Layer w0.254: R10.1@70.596,37.435 70.596,38.744 70.917,39.065 U1.9@70.917,40.132
RTS: Q1.4 R4.2 U1.24 | length 25.8
  Top Layer w0.2: U1.24@72.417,45.309 72.417,46.229
  Top Layer w0.254: v1(60.02,49.886) 61.354,49.886 R4.2@61.405,49.835 61.341,49.771 61.341,48.87 61.199,48.727 Q1.4@61.199,48.123 ; v1(66.802,51.892) 73.406,51.892 73.722,51.577 73.722,46.863 73.417,46.558 72.746,46.558 72.417,46.229
  Bottom Layer w0.254: v1(60.02,49.886) 60.02,51.13 60.782,51.892 v1(66.802,51.892)
UART_RXD: J2.6 R1.1 U2.24 | length 84.2
  Top Layer w0.254: R1.1@70.891,49.109 v1(70.891,50.19) ; U2.24@73.75,67.18 80.013,67.18 92.659,54.534 109.55,54.534 118.207,45.877 126.703,45.877 J2.6@127.5,45.08
  Bottom Layer w0.254: v1(70.891,50.19) 70.866,50.216 70.866,50.724 71.425,51.283 73.076,51.283 73.66,51.867 73.66,64.922 v1@75.997,67.259
  other v1: 75.971,67.234
UART_TXD: J2.5 R2.1 U2.25 | length 85.6
  Top Layer w0.254: R2.1@72.425,49.093 72.441,49.109 v1(72.441,50.19) ; U2.25@73.75,68.45 73.764,68.464 78.624,68.464 v1(78.638,68.478) 80.01,68.478 93.116,55.372 109.804,55.372 118.364,46.812 126.692,46.812 J2.5@127.5,47.62
  Bottom Layer w0.254: v1(72.441,50.19) 73.431,50.19 74.549,51.308 74.549,64.389 v1(78.638,68.478)
VBUS: D1.2 D4.2 J1.A4_B9 J1.B4_A9 R9.1 | length 86.6
  Top Layer w0.254: J1.B4_A9@25.6,73.25 25.762,73.412 25.762,74.911 26.06,75.209 29.518,75.209 29.684,75.044 29.684,74.755 29.816,74.622 29.816,74.349 30.227,73.938 30.227,73.423 J1.A4_B9@30.4,73.25 ; D1.2@32.41,69.162 32.43,69.181 32.43,70.568 32.455,70.593 32.449,70.599 v1(32.449,71.222) ; v1(52.299,54.483) 52.299,53.569 55.016,50.851 55.016,39.802 55.728,39.091 62.789,39.091 63.319,38.56 R9.1@63.319,37.346
  Bottom Layer w0.254: v1(29.75,74.689) 29.75,71.393 29.921,71.222 35.712,71.222 35.916,71.425 35.916,75.209 36.144,75.438 52.07,75.438 52.299,75.209 v1(52.299,54.483)
pads on no net: H1.1 H2.1 H3.1 H4.1 J1. J1.A8 J1.B8 J7.4 J9.1 J9.2 J9.3 J9.4 S1.2 S1.4 S2.2 S2.4 U1.1 U1.2 U1.10 U1.12 U1.13 U1.14 U1.15 U1.16 U1.17 U1.18 U1.19 U1.20 U1.21 U1.22 U1.23 U1.27 U2.22

## Polygon pours and split planes (outlines as drawn)
GND on Top Layer "GND_L01_P022" (solid, remove dead copper, pour order 22): 0,0 130,0 130,80 0,80
5V on Top Layer "5V_L01_P018" (solid, remove dead copper, pour order 18): 107.823,62.814 108.255,62.382 112.624,62.382 113.055,62.814 113.055,68.885 112.674,69.266 108.179,69.266 107.823,68.91
12V on Top Layer "12V_L01_P017" (solid, remove dead copper, pour order 17): 95.225,62.916 95.656,62.484 100.025,62.484 100.457,62.916 100.457,68.986 100.076,69.367 95.58,69.367 95.225,69.012
NetD12_2 on Top Layer "NETD12_2_L01_P016" (solid, remove dead copper, pour order 16): 108.977,79.985 108.977,74.117 114.54,68.555 114.54,62.738 114.921,62.357 118.44,62.357 118.77,62.687 118.77,69.506 113.422,74.854 113.422,79.985
NetD10_2 on Top Layer "NETD10_2_L01_P015" (solid, remove dead copper, pour order 15): 96.977,79.985 96.977,74.117 102.54,68.555 102.54,62.738 102.921,62.357 106.045,62.357 106.045,62.382 106.426,62.763 106.426,69.85 101.422,74.854 101.422,79.985
3V3 on Top Layer "3V3_L01_P014" (solid, remove dead copper, pour order 14): 50.724,37.363 50.724,36.424 50.114,35.814 50.114,32.791 49.682,32.36 48.412,32.36 48.031,31.979 48.031,26.645 48.336,26.34 54.585,26.34 54.94,26.695 54.94,32.207 54.788,32.36 52.705,32.36 52.248,32.817 52.248,35.382 53.188,36.322 53.188,37.44 53.01,37.617 50.978,37.617
5V on Top Layer "5V_L01_P013" (solid, remove dead copper, pour order 13): 42.393,37.287 42.393,35.839 41.783,35.23 41.783,31.953 41.148,31.318 39.345,31.318 39.04,31.013 39.04,26.848 39.548,26.34 47.498,26.34 47.803,26.645 47.803,32.055 48.285,32.537 49.555,32.537 49.936,32.918 49.936,35.992 50.47,36.525 50.47,37.363 50.216,37.617 47.828,37.617 47.6,37.846 47.6,40.335 47.473,40.462 46.279,40.462 46.177,40.361 46.177,38.326 46.177,31.699 45.999,31.521 44.145,31.521 43.764,31.902 43.764,35.331 44.806,36.373 44.806,37.16 44.653,37.313 42.418,37.313
12V on Top Layer "12V_L01_P012" (solid, remove dead copper, pour order 12): 36.22,31.979 36.601,31.598 40.894,31.598 41.377,32.08 41.377,35.255 42.113,35.992 42.113,37.516 41.859,37.77 36.347,37.77 36.22,37.643
NetC15_1 on Top Layer "NETC15_1_L01_P011" (solid, remove dead copper, pour order 11): 122.123,21.717 121.844,21.438 120.218,21.438 119.812,21.031 119.812,16.891 119.278,16.358 118.466,16.358 118.161,16.053 118.161,13.487 114.91,10.236 114.91,-0.025 118.872,-0.025 118.872,8.992 123.825,13.945 123.825,24.079 123.673,24.232 122.25,24.232 122.123,24.105
12V on Top Layer "12V_L01_P010" (solid, remove dead copper, pour order 10): 109.245,11.201 109.245,0 114.478,0 114.478,10.49 117.907,13.919 117.907,16.231 118.364,16.688 119.075,16.688 119.558,17.17 119.558,21.006 119.024,21.539 114.097,21.539 113.741,21.184 113.741,15.697
NetC10_1 on Top Layer "NETC10_1_L01_P009" (solid, remove dead copper, pour order 9): 104.724,13.005 104.724,0 108.864,0 108.864,11.557 109.804,12.497 113.36,16.053 113.36,21.438 113.36,23.952 113.208,24.105 111.658,24.105 111.506,23.952 111.506,21.666 111.303,21.463 109.906,21.463 109.753,21.311 109.753,16.967 109.322,16.535 108.153,16.535 107.899,16.281 107.899,14.554 107.467,14.122 105.842,14.122
12V on Top Layer "12V_L01_P008" (solid, remove dead copper, pour order 8): 99.212,21.59 99.111,21.488 99.111,0.051 104.318,0.051 104.318,13.132 105.537,14.351 107.213,14.351 107.671,14.808 107.671,16.459 107.95,16.739 109.22,16.739 109.525,17.043 109.525,21.438 109.372,21.59 107.366,21.59
NetC9_1 on Top Layer "NETC9_1_L01_P007" (solid, remove dead copper, pour order 7): 96.182,24.359 96.182,16.485 95.903,16.205 94.48,16.205 94.328,16.053 94.328,11.938 94.658,11.608 94.658,0.025 98.671,0.025 98.671,24.359 98.519,24.511 96.335,24.511
NetC11_1 on Top Layer "NETC11_1_L01_P006" (solid, remove dead copper, pour order 6): 86.182,24.359 86.182,16.485 85.903,16.205 84.48,16.205 84.328,16.053 84.328,11.938 84.658,11.608 84.658,0.025 88.671,0.025 88.671,24.359 88.519,24.511 86.335,24.511
12V on Top Layer "12V_L01_P005" (solid, remove dead copper, pour order 5): 89.248,21.666 89.248,-0.025 94.201,-0.025 94.226,-0.051 94.252,-0.025 94.252,11.582 93.896,11.938 93.896,16.358 94.15,16.612 95.496,16.612 95.801,16.916 95.801,21.615 95.7,21.717 89.299,21.717
12V on Top Layer "12V_L01_P004" (solid, remove dead copper, pour order 4): 79.248,21.641 79.248,-0.025 84.201,-0.025 84.226,-0.051 84.252,-0.025 84.252,11.582 83.896,11.938 83.896,16.358 84.15,16.612 85.496,16.612 85.801,16.916 85.801,21.615 85.7,21.717 79.324,21.717
12V on Top Layer "12V_L01_P003" (solid, remove dead copper, pour order 3): 13.792,63.983 13.792,58.623 14.173,58.242 20.117,58.242 20.549,58.674 20.549,60.325 24.028,63.805 24.028,70.739 23.774,70.993 19.228,70.993 18.948,70.714 18.948,65.176 17.958,64.186 13.995,64.186
NetD11_2 on Top Layer "NETD11_2_L01_P002" (solid, remove dead copper, pour order 2): 18.491,65.354 17.831,64.694 13.843,64.694 13.259,64.11 13.259,58.674 12.802,58.217 8.814,58.217 8.331,58.699 8.331,70.612 8.788,71.069 18.288,71.069 18.491,70.866
VBUS on Top Layer "VBUS_L01_P001" (solid, remove dead copper, pour order 1): 31.445,68.453 31.699,68.199 33.096,68.199 33.35,68.453 33.35,71.374 33.122,71.603 31.572,71.603 31.445,71.476
VBUS on Top Layer "VBUS_L01_P000" (solid, remove dead copper, pour order 0): 25.273,75.844 25.273,72.492 25.4,72.365 25.908,72.365 26.01,72.466 26.01,73.863 30.074,73.863 30.074,72.466 30.175,72.365 30.683,72.365 30.785,72.466 30.785,76.149 30.226,76.708 25.781,76.708 25.273,76.2
GND on Bottom Layer "GND_L02_P023" (solid, remove dead copper, pour order 23): 0,0 130,0 130,80 0,80

## Silkscreen, mask and mechanical layers (free items; w line width, h text height)
Top Overlay:
  text "12V" at 20.12,76.883 h1 r90
  text "EN" at 48.8,75.2 h1 r90
  text "BOOT" at 90.224,74.317 h1 r90
  text "5V" at 110.969,69.821 h1
  text "12V" at 98.676,69.796 h1
  text "GND" at 115.668,69.796 h1
  text "GND" at 103.654,69.771 h1
  text "GND" at 4.086,61.49 h1
  text "12V" at 23.06,61.135 h1
  text "5V" at 119.478,57.223 h1
  text "3V3" at 8.074,56.486 h1
  text "GND" at 4.315,54.759 h1
  text "GND" at 122.45,54.708 h1
  text "IOT GreenHouse" at 99.853,54.383 h1.2
  text "CHIP_PU" at 4.315,52.31 h1
  text "GPIO2" at 120.672,52.219 h1
  text "V1.0 Rev A" at 102.215,51.945 h1.2
  text "GPIO4" at 4.315,49.882 h1
  text "GPIO3" at 120.698,49.552 h1
  text "GPIO5" at 4.315,47.215 h1
  text "TXD" at 122.476,46.987 h1
  text "RXD" at 122.476,44.828 h1
  text "GPIO6" at 4.315,44.599 h1
  text "GPIO7" at 4.315,42.11 h1
  text "GPIO15" at 120.113,42.059 h1
  text "GPIO0" at 4.315,39.57 h1
  text "GPIO23" at 120.063,39.519 h1
  text "GPIO1" at 4.315,37.055 h1
  text "GPIO22" at 120.063,37.03 h1
  text "GPIO08" at 4.315,34.566 h1
  text "GPIO21" at 120.418,34.515 h1
  text "GPIO10" at 4.315,32.077 h1
  text "GPIO20" at 120.088,31.848 h1
  text "GPIO12" at 4.315,29.41 h1
  text "GPIO19" at 120.215,29.385 h1
  text "GPIO18" at 120.215,27.124 h1
  text "GPIO11" at 4.315,26.895 h1
  text "IO9" at 123.339,24.736 h1
  text "GPIO13" at 4.315,24.178 h1
  text "GND" at 123.136,20.799 h1
  text "V+" at 82.217,13.23 h1
  text "PUMP" at 84.96,13.23 h1
  text "FAN" at 95.475,13.205 h1
  text "V+" at 102.384,13.179 h1
  text "LAMP" at 115.135,13.179 h1
  text "V+" at 92.453,13.154 h1
  text "HEAT" at 105.026,13.154 h1
  text "V+" at 112.493,13.154 h1
  text "TEMP-HU" at 40.51,12.316 h1
  text "SOIL" at 65.935,11.757 h1
  text "PH" at 55.089,11.63 h1
  text "3V3" at 70.736,11.351 h1
  text "CO2" at 13.611,10.589 h1
  text "BRIG" at 28.343,10.462 h1
Board:
  lines w0.2: 0,5 ccw(c5,5) 5,0 125,0 ccw(c125,5) 130,5 130,75 ccw(c125,75) 125,80 76,80 75,80 75,73.25 55,73.25 55,80 54,80 5,80 ccw(c5,75) 0,75 0,59 0,21 0,5

## Dimensions
0,5 to 130,0 on Drill Drawing
-1,0 to -1,80 on Drill Drawing